# KiCad board ButterStick.kicad_pcb (continued)
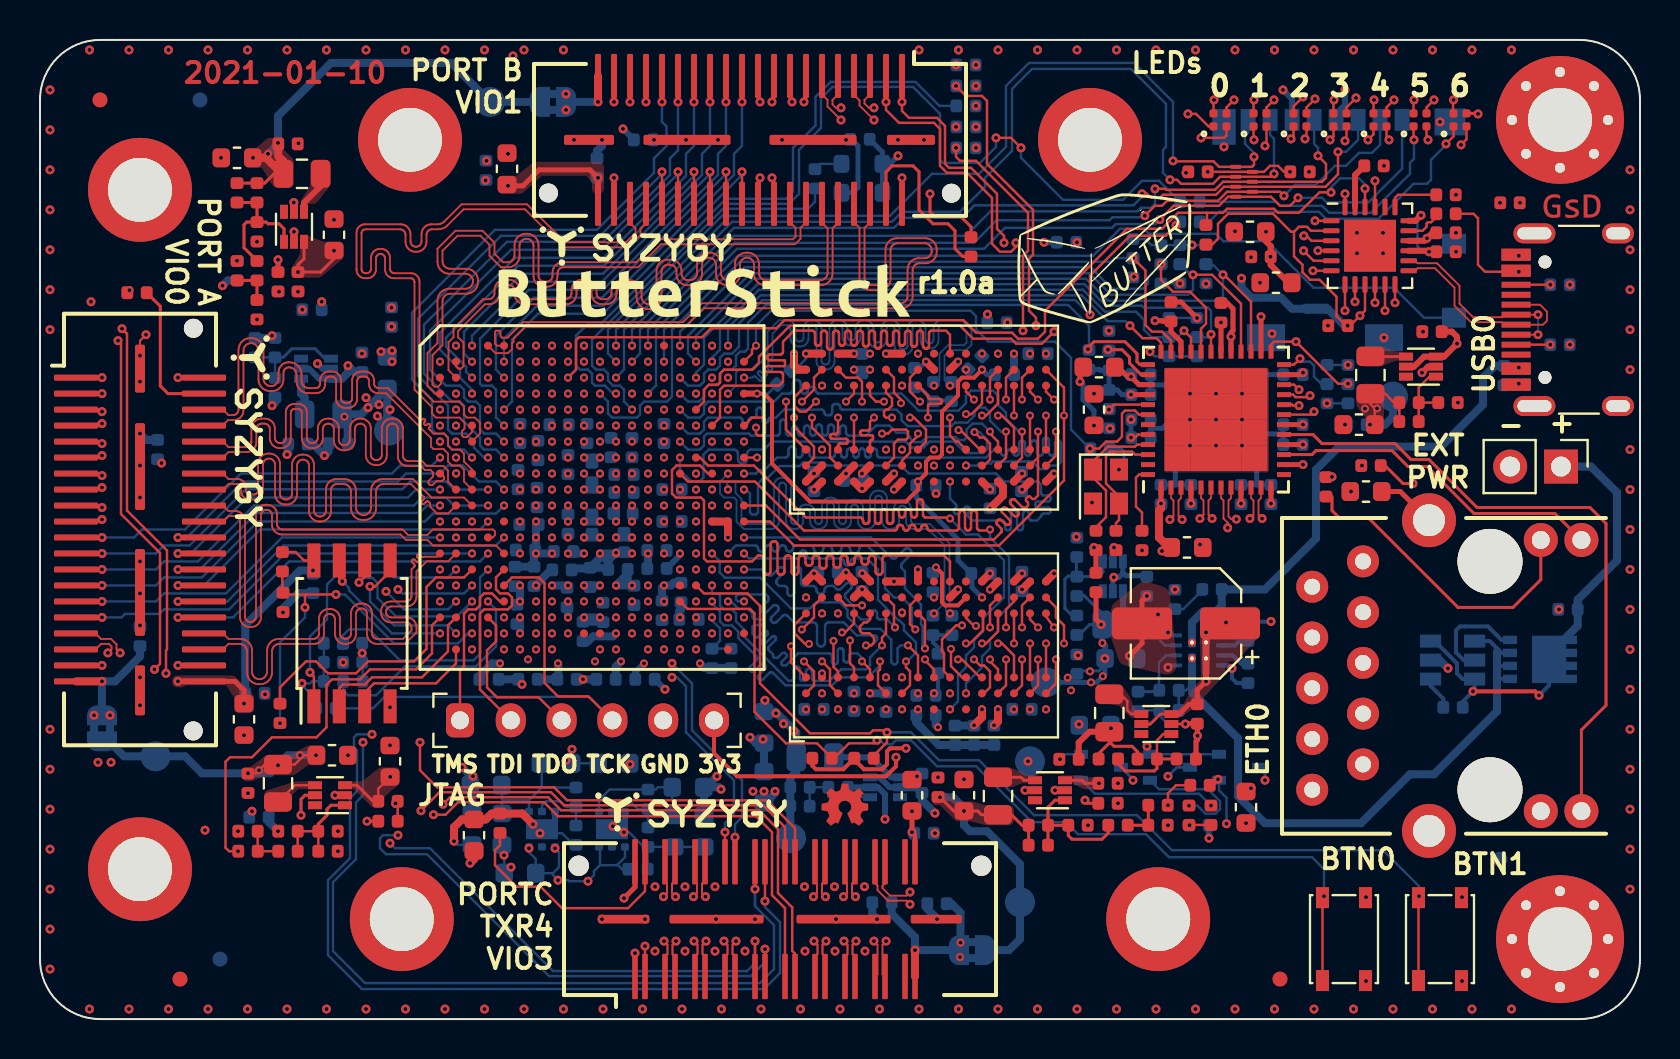
[diagram p0: board, top side]
## Routing (per net, layer and track width the routed paths; a pad name or vN(x,y) marks a point on that pad's centre or on a via; arc(x,y) is an arc through that point) (continued)
  In5.Cu w0.089: v2(39.1,31.7) 39.38,31.42 39.38,30.55 39.07,30.25 39.07,29.78 37.95,28.65 37.95,26.2 37.96,26.13 37.98,26.06 38.02,26 38.07,25.95 38.14,25.91 38.21,25.88 38.28,25.87 38.47,25.87 38.5,25.87 38.52,25.87 38.54,25.85 38.55,25.84 38.56,25.82 38.57,25.8 38.57,25.77 38.57,25.75 38.56,25.73 38.55,25.71 38.54,25.7 38.52,25.68 38.5,25.68 38.47,25.67 38.28,25.67 38.21,25.67 38.14,25.64 38.07,25.6 38.02,25.55 37.98,25.49 37.96,25.42 37.95,25.35 37.95,25.3 37.96,25.23 37.98,25.16 38.02,25.1 38.07,25.05 38.14,25.01 38.21,24.98 38.28,24.97 38.62,24.97 38.65,24.97 38.67,24.97 38.69,24.95 38.7,24.94 38.71,24.92 38.72,24.9 38.72,24.87 38.72,24.85 38.71,24.83 38.7,24.81 38.69,24.8 38.67,24.78 38.65,24.78 38.62,24.77 38.28,24.77 38.21,24.77 38.14,24.74 38.07,24.7 38.02,24.65 37.98,24.59 37.96,24.52 37.95,24.45 37.95,24.4 37.96,24.33 37.98,24.26 38.02,24.2 38.07,24.15 38.14,24.11 38.21,24.08 38.28,24.07 38.62,24.07 38.65,24.07 38.67,24.07 38.69,24.05 38.7,24.04 38.71,24.02 38.72,24 38.72,23.97 38.72,23.95 38.71,23.93 38.7,23.91 38.69,23.9 38.67,23.88 38.65,23.88 38.62,23.87 38.28,23.87 38.21,23.87 38.14,23.84 38.07,23.8 38.02,23.75 37.98,23.69 37.96,23.62 37.95,23.55 37.95,23.5 37.96,23.43 37.98,23.36 38.02,23.3 38.07,23.25 38.14,23.21 38.21,23.18 38.28,23.17 38.62,23.17 38.65,23.17 38.67,23.17 38.69,23.15 38.7,23.14 38.71,23.12 38.72,23.1 38.72,23.07 38.72,23.05 38.71,23.03 38.7,23.01 38.69,23 38.67,22.98 38.65,22.98 38.62,22.97 38.28,22.97 38.21,22.97 38.14,22.94 38.07,22.9 38.02,22.85 37.98,22.79 37.96,22.72 37.95,22.65 37.95,22 38.85,21.1 38.86,21.09 38.87,21.07 38.87,21.05 38.87,21.03 38.87,21.01 38.86,20.99 38.85,20.98 38.8,20.93 38.79,20.91 38.78,20.89 38.77,20.87 38.77,20.85 38.78,20.83 38.79,20.82 38.8,20.8 38.81,20.79 38.83,20.78 38.85,20.77 38.87,20.77 38.89,20.78 38.91,20.79 38.92,20.8 38.97,20.85 38.99,20.86 39.01,20.87 39.03,20.88 39.05,20.88 39.07,20.87 39.08,20.86 39.1,20.85 v2(39.1,20.3)
/FPGA-DDR3L/UDQS_P: length 29.5
  In2.Cu w0.089: v2(39.9,20.3) 39.65,20.3 39.25,20.7 38.78,20.7 38.62,20.55 38.08,20.55 37.8,20.83 37.8,22.9 35.68,25.02 33.32,25.02 33.09,25.26 33.04,25.26
  In2.Cu w0.1: 33.04,25.26 32.56,25.26 32.4,25.1 32.4,24.5 v2(32,24.1)
  In5.Cu w0.089: v2(39.9,31.7) 39.62,31.42 39.62,30.45 39.32,30.15 39.32,29.67 38.2,28.55 38.2,26.22 38.2,26.2 38.21,26.18 38.22,26.16 38.24,26.15 38.26,26.13 38.28,26.13 38.3,26.12 38.49,26.12 38.57,26.12 38.64,26.09 38.7,26.05 38.75,26 38.79,25.94 38.82,25.87 38.82,25.8 38.82,25.75 38.82,25.68 38.79,25.61 38.75,25.55 38.7,25.5 38.64,25.46 38.57,25.43 38.49,25.42 38.3,25.42 38.28,25.42 38.26,25.42 38.24,25.4 38.22,25.39 38.21,25.37 38.2,25.35 38.2,25.32 38.2,25.3 38.21,25.28 38.22,25.26 38.24,25.25 38.26,25.23 38.28,25.23 38.3,25.22 38.64,25.22 38.72,25.22 38.79,25.19 38.85,25.15 38.9,25.1 38.94,25.04 38.97,24.97 38.97,24.9 38.97,24.85 38.97,24.78 38.94,24.71 38.9,24.65 38.85,24.6 38.79,24.56 38.72,24.53 38.64,24.52 38.3,24.52 38.28,24.52 38.26,24.52 38.24,24.5 38.22,24.49 38.21,24.47 38.2,24.45 38.2,24.42 38.2,24.4 38.21,24.38 38.22,24.36 38.24,24.35 38.26,24.33 38.28,24.33 38.3,24.32 38.64,24.32 38.72,24.32 38.79,24.29 38.85,24.25 38.9,24.2 38.94,24.14 38.97,24.07 38.97,24 38.97,23.95 38.97,23.88 38.94,23.81 38.9,23.75 38.85,23.7 38.79,23.66 38.72,23.63 38.64,23.62 38.3,23.62 38.28,23.62 38.26,23.62 38.24,23.6 38.22,23.59 38.21,23.57 38.2,23.55 38.2,23.52 38.2,23.5 38.21,23.48 38.22,23.46 38.24,23.45 38.26,23.43 38.28,23.43 38.3,23.42 38.64,23.42 38.72,23.42 38.79,23.39 38.85,23.35 38.9,23.3 38.94,23.24 38.97,23.17 38.97,23.1 38.97,23.05 38.97,22.98 38.94,22.91 38.9,22.85 38.85,22.8 38.79,22.76 38.72,22.73 38.64,22.72 38.3,22.72 38.28,22.72 38.26,22.72 38.24,22.7 38.22,22.69 38.21,22.67 38.2,22.65 38.2,22.62 38.2,22.08 39.35,20.93 39.35,20.65 39.7,20.3 v2(39.9,20.3)
/FPGA-DDR3L/WE: length 36.7
  Top w0.12: U11.L3 45.9,28.9 45.8,28.9 45.5,29.2 v2(45.5,30.1) ; U12.L3 46.11,17.1 45.55,17.66 v2(45.55,18.52)
  In2.Cu w0.12: v2(45.55,18.52) 45.55,18.6 46.45,19.5 46.45,20.75 46.3,20.9 46.3,21.85 45.9,22.25 45.9,28.8 45.5,29.2 v2(45.5,30.1) 45.35,30.25 45.35,30.7 45.4,30.75 45.95,30.75 46,30.8 46,30.95 45.95,31 45.15,31 45.1,30.95 45.1,29.55 45.05,29.5 44.9,29.5 44.85,29.55 44.85,30.95 44.8,31 44.65,31 44.55,30.9 44.55,30.8 44.22,30.47 43.73,30.47 43.65,30.55 43.65,30.6 43.6,30.65 43.45,30.65 43.4,30.6 43.4,30.55 43.32,30.47 41.88,30.47 41.8,30.55 41.8,30.95 41.75,31 41.55,31 41.5,30.95 41.5,30.65 41.2,30.35 41.2,29.9 40.35,29.05 39.05,29.05 38.65,28.65 38.3,28.65 38.27,28.65 38.23,28.66 38.21,28.68 38.18,28.71 38.16,28.73 38.15,28.77 38.15,28.8 38.15,28.85 38.15,28.88 38.14,28.92 38.12,28.94 38.09,28.97 38.07,28.99 38.03,29 38,29 37.97,29 37.93,28.99 37.91,28.97 37.88,28.94 37.86,28.92 37.85,28.88 37.85,28.85 37.85,28.15 37.85,28.12 37.84,28.08 37.82,28.06 37.79,28.03 37.77,28.01 37.73,28 37.7,28 37.67,28 37.63,28.01 37.61,28.03 37.58,28.06 37.56,28.08 37.55,28.12 37.55,28.15 37.55,28.5 37.55,28.53 37.54,28.57 37.52,28.59 37.49,28.62 37.47,28.64 37.43,28.65 37.4,28.65 36.55,28.65 36.52,28.65 36.5,28.66 36.47,28.68 36.45,28.7 36.44,28.72 36.43,28.75 36.42,28.8 36.41,28.83 36.4,28.85 36.38,28.87 36.35,28.89 36.33,28.9 36.3,28.9 36.25,28.9 36.22,28.9 36.2,28.89 36.17,28.87 36.15,28.85 36.14,28.83 36.13,28.8 36.12,28.75 36.11,28.72 36.1,28.7 36.08,28.68 36.05,28.66 36.03,28.65 36,28.65 35.8,28.65 35.6,28.45 35,28.45 34.55,28.9 v2(34.4,28.9)
/FPGA-MISC/CLK_IN: length 15.4
  Bottom w0.12: v2(28.8,32.9) 28.4,33.3 28.4,34.5 34.45,40.55 38.4,40.55 38.75,40.9 R54.2
/FPGA-MISC/ETH0.CLK125: length 2.1
  Top w0.12: U2.41 53.7,30.75 v1(53.45,30.5)
/FPGA-MISC/ETH0.INT: length 2.7
  Top w0.15: U2.38 55.05,32.25 54.47,32.82 54.47,33.12 54.1,33.5 v1(53.4,33.5)
/FPGA-MISC/ETH0.MDC: length 24.7
  Top w0.12: U2.36 56.05,33.85 55.82,34.07 55.12,34.07 v1(54.5,34.7)
  Bottom w0.12: v1(54.5,34.7) 54.28,34.92 53.38,34.92 52.08,36.22 36.02,36.22 34.4,34.6 v2(34.4,33.7)
/FPGA-MISC/ETH0.MDIO: length 29.7
  Top w0.15: U2.37 55,32.75 54.85,32.9 54.85,33.3 54.25,33.9 52.7,33.9 52.4,33.6 v1(52.4,33.52)
  Bottom w0.12: R19.1 52.45,34.7 51.41,35.74 36.29,35.74 35.4,34.85 35.4,33.55 35.25,33.4 35,33.4 34.8,33.2 34.8,32.7 34.6,32.5 34.2,32.5 34,32.3 34,31.9 33.82,31.72 33.43,31.72 33.2,31.5 33.2,31.15 32.95,30.9 32.4,30.9 v2(32,31.3)
/FPGA-MISC/ETH0.RESET: length 28.9
  Top w0.12: v1(52.5,28.55) 52.95,28.55 53.3,28.9 53.85,28.9 54.1,29.15 54.1,30.3 54.25,30.45 54.75,30.45 54.95,30.25 U2.42 ; v2(35.8,33.7) 35.6,33.5 35.6,33.3 U4.B20
  Bottom w0.12: v1(52.5,28.55) 51.55,29.5 51.55,33.1 50.75,33.9 47.43,33.9 46.8,34.52 46.8,35.17 46.53,35.45 36.55,35.45 35.8,34.7 v2(35.8,33.7)
/FPGA-MISC/ETH0.RX0: length 33.2
  Top w0.12: v1(56.05,37.78) 56.05,37 56.65,36.4 57.5,36.4 58.3,35.6 58.3,34.8 58.05,34.55 U2.32
  Bottom w0.12: v1(56.05,37.78) 55.4,37.13 55.4,36.8 55.15,36.55 53.6,36.55 52.53,37.62 35.22,37.62 32,34.4 v2(32,33.7)
/FPGA-MISC/ETH0.RX1: length 32
  Top w0.12: U2.31 v1(58.55,34.26)
  Bottom w0.12: R28.1 58.4,34.11 v1(58.55,34.26) 58.55,35.45 58.4,35.6 55.2,35.6 55.1,35.7 53.3,35.7 52.22,36.77 35.88,36.77 33.2,34.1 33.2,32.75 32.8,32.35 v2(32.8,32.1)
/FPGA-MISC/ETH0.RX2: length 35.5
  Top w0.12: U2.28 60.05,35.8 58.6,37.25 v1(57.65,37.25)
  Bottom w0.12: v2(32.8,32.9) 32.4,33.3 32.4,34.2 35.53,37.32 52.47,37.32 53.54,36.25 57.4,36.25 57.65,36.5 57.65,37.13 R15.1
/FPGA-MISC/ETH0.RX3: length 35.1
  Top w0.12: U2.27 60.55,35.9 59.2,37.25 v1(59.15,37.25)
  Bottom w0.12: v2(32.8,33.7) 32.8,34.2 35.65,37.05 52.3,37.05 53.4,35.95 58.9,35.95 59.15,36.2 v1(59.15,37.25) 58.67,37.73 58.3,37.73
/FPGA-MISC/ETH0.RX_CLK: length 38.8
  Top w0.12: v1(54.65,38.08) 55.27,37.46 55.27,34.73 55.6,34.4 56.1,34.4 56.55,33.95 U2.35
  Bottom w0.12: R22.1 v1(54.65,38.08) 53.72,38.08 53.53,37.9 35,37.9 31.6,34.5 31.6,31.15 31.35,30.9 30.2,30.9 30,30.7 30,30.25 29.85,30.1 28.6,30.1 28.4,30.3 28.4,30.9 v2(28,31.3)
/FPGA-MISC/ETH0.RX_CTRL: length 28.4
  Top w0.12: U2.33 57.55,34.1 v1(57.2,34.45)
  Bottom w0.12: v1(57.2,34.45) 56.89,34.14 R11.1 R23.1 55.58,34.12 55.2,34.5 55.2,35 54.8,35.4 53.25,35.4 52.15,36.5 35.95,36.5 34,34.55 34,33.5 33.6,33.1 v2(33.6,32.9)
/FPGA-MISC/ETH0.TX0: length 44
  Top w0.12: U2.19 63.55,30.25 v1(63.7,30.4)
  In5.Cu w0.12: v2(31.2,32.1) 31.6,32.5 31.6,33.1 31.8,33.3 32.15,33.3 32.4,33.55 32.4,34.4 34.6,36.6 37.2,36.6 38.15,37.55 53.05,37.55 54.3,36.3 62,36.3 64.6,33.7 64.6,31.8 64.8,31.6 64.8,30.6 64.6,30.4 v1(63.7,30.4)
/FPGA-MISC/ETH0.TX1: length 40.5
  Top w0.12: U2.20 62.6,30.75 62.65,30.7 v1(62.95,30.7)
  In5.Cu w0.12: v1(62.95,30.7) 63.3,30.7 63.4,30.8 63.7,30.8 64,31.1 64,33.8 61.85,35.95 54.15,35.95 52.9,37.2 38.3,37.2 37.4,36.3 34.9,36.3 33.2,34.6 33.2,33.5 33,33.3 32.65,33.3 32.25,32.9 v2(32,32.9)
/FPGA-MISC/ETH0.TX2: length 37
  Top w0.12: v1(63.5,31.2) 63.43,31.13 62.77,31.13 62.65,31.25 U2.21
  In5.Cu w0.12: v1(63.5,31.2) 63.5,31.5 63.7,31.7 63.7,33.6 61.7,35.6 53.7,35.6 52.5,36.8 38.4,36.8 37.6,36 35.1,36 33.6,34.5 v2(33.6,33.7)
/FPGA-MISC/ETH0.TX3: length 33.1
  Top w0.12: U2.22 62.7,31.75 v1(62.95,31.5)
  In5.Cu w0.12: v2(34.4,32.9) 34.6,33.1 34.7,33.1 36.57,34.97 39.03,34.97 39.72,35.67 48.22,35.67 48.7,35.2 51.05,35.2 51.9,34.35 51.9,32.9 53.05,31.75 62.05,31.75 62.3,31.5 v1(62.95,31.5)
/FPGA-MISC/ETH0.TX_CLK: length 39.9
  Top w0.12: U2.24 62.7,32.75 v1(63,33.05)
  In5.Cu w0.12: v1(63,33.05) 62.25,33.05 61.7,32.5 55.1,32.5 53.7,33.9 53,33.9 50.82,36.07 39.38,36.07 38.7,35.4 36.2,35.4 34.93,34.12 34.93,33.72 34.5,33.3 34.2,33.3 34,33.1 34,32.7 33.8,32.5 33.4,32.5 33.2,32.3 33.2,31.9 33,31.7 32.6,31.7 32.4,31.5 32.4,31.1 32.2,30.9 31.6,30.9 v2(31.2,30.5)
  Bottom w0.12: v1(63,33.05) 63.15,32.9 63.5,32.9 63.7,32.7 63.7,32.15 64.06,31.78 R12.1
/FPGA-MISC/ETH0.TX_CTRL: length 40.9
  Top w0.12: U2.25 61.55,33.75 61.7,33.9 v1(62.8,33.9) 64.9,31.8 v1(65.4,31.8)
  In5.Cu w0.12: v2(31.2,31.3) 31.6,31.7 32.2,31.7 32.4,31.9 32.4,32.3 32.6,32.5 33,32.5 33.2,32.7 33.2,33.1 33.4,33.3 33.8,33.3 34,33.5 34,34 35.7,35.7 38,35.7 38.75,36.45 52.15,36.45 54.55,34.05 55.65,34.05 56.1,33.6 62.5,33.6 v1(62.8,33.9)
/FPGA-MISC/I2C0.SCL: length 152.7
  Top w0.12: J3.1 v1(3.1,32.1) ; v1(29.75,3.3) J5.1 ; v1(48.2,38.85) 48.2,39.2 47.85,39.55 47.85,41.3 46.55,42.6 45.45,42.6 45.25,42.8 45.25,44.7 44.85,45.1 43.45,45.1 43.1,45.45 v1(43.1,45.9) J4.1
  In5.Cu w0.12: v2(30.4,30.5) 30.8,30.9 30.8,31.5 30.6,31.7 30.2,31.7 30,31.9 30,34 30.5,34.5 30.5,35.75 32,37.25 36.75,37.25 37.9,38.4 48,38.4 48.2,38.6 v1(48.2,38.85) ; v1(43.1,45.9) 43.1,47 42.5,47.6 21.9,47.6 21.4,48.1 4.9,48.1 1.1,44.3 1.1,38.1 3.1,36.1 v1(3.1,32.1) 2.3,32.1 1.7,31.5 1.7,12.35 2.8,11.25 7.15,11.25 8.8,9.6 8.8,8.15 9.75,7.2 10.45,7.2 16.05,1.6 26.3,1.6 28,3.3 v1(29.75,3.3)
/FPGA-MISC/I2C0.SDA: length 151.6
  Top w0.12: v1(30.25,3.65) J5.3 ; J4.3 v1(42.3,45.9) 42.3,45.5 42.95,44.85 44.7,44.85 45,44.55 45,42.7 45.35,42.35 46.35,42.35 47.6,41.1 47.6,38.8 48,38.4 48.55,38.4 48.8,38.65 v1(48.8,38.85) ; J3.3 v1(3.1,31.3)
  In5.Cu w0.12: v1(48.8,38.85) 48.1,38.15 38.15,38.15 37,37 32.1,37 30.8,35.7 30.8,32.5 v2(30.4,32.1) ; v1(30.25,3.65) 30,3.65 29.95,3.7 28,3.7 26.2,1.9 16.15,1.9 10.55,7.5 9.9,7.5 9.1,8.3 9.1,9.7 7.3,11.5 3.05,11.5 2,12.55 2,31 2.3,31.3 v1(3.1,31.3) 3.6,31.8 3.6,32.3 3.4,32.5 3.4,36.2 1.4,38.2 1.4,44.2 5,47.8 21.3,47.8 21.8,47.3 42.1,47.3 42.3,47.1 v1(42.3,45.9)
/FPGA-MISC/LED0: length 37.2
  Top w0.12: v1(49.8,34.7) 49.8,35.1 49.45,35.45 49.45,38.05 49.65,38.25 49.65,40.5 47.35,42.8 47.35,45.95 47.1,46.2 46.3,46.2 v1(45.8,46.7)
  In2.Cu w0.12: v2(29.6,32.1) 30,32.5 32.2,32.5 32.4,32.7 32.4,33.05 32.65,33.3 33,33.3 33.2,33.5 33.2,34.15 34.32,35.27 41.75,35.27 42.2,35.72 49.07,35.72 49.8,35 v1(49.8,34.7)
  Bottom w0.12: v1(45.8,46.7) R35.1
/FPGA-MISC/LED1: length 31.2
  Bottom w0.12: v2(28.8,31.3) 28.65,31.3 28.25,31.7 27.75,31.7 27.6,31.85 27.6,32.3 27.4,32.5 27,32.5 26.8,32.7 26.8,34.2 27.35,34.75 28,34.75 34.3,41.05 37.3,41.05 37.65,41.4 37.65,43.6 38.78,44.72 38.78,46.15 39.53,46.9 43.78,46.9 44.97,45.7 R36.1
/FPGA-MISC/LED2: length 96.2
  Top w0.12: v1(5.72,17.5) 6,17.77 6,23.32 4.05,25.27 4.05,33.8 v1(3.9,33.95)
  In5.Cu w0.12: v1(3.9,33.95) 3.65,34.2 3.65,36.4 1.65,38.4 1.65,44.05 5.15,47.55 21.1,47.55 21.65,47 40.25,47 41.05,46.2 41.05,44.8 41.53,44.32 42.03,44.32 42.6,44.9 44.93,44.9 45.3,45.27 45.3,47.25 v1(45.8,47.75) ; v1(5.72,17.5) 6.42,18.2 8.55,18.2 9.8,19.45 13.65,19.45 14.95,20.75 16.95,20.75 17.3,21.1 v1(17.3,21.4)
  Bottom w0.12: v1(17.3,21.4) 18.2,20.5 20.4,20.5 v2(20.8,20.9)
/FPGA-MISC/LED3: length 93.6
  Top w0.12: v1(4.1,34.55) 4.35,34.3 4.35,25.45 6.35,23.45 6.35,18.5 6.3,18.45 v1(6.3,17.3)
  In5.Cu w0.12: v1(17.9,21.5) 17.9,21.15 17.2,20.45 15.1,20.45 13.8,19.15 9.9,19.15 8.05,17.3 v1(6.3,17.3) ; v1(4.1,34.55) 4.1,36.4 1.95,38.55 1.95,43.95 5.3,47.3 20.95,47.3 21.5,46.75 40.1,46.75 40.72,46.12 40.72,44.7 41.35,44.07 42.12,44.07 42.7,44.65 v1(45.8,44.65)
  Bottom w0.12: v2(21.6,21.7) 21.2,21.3 18.1,21.3 v1(17.9,21.5)
/FPGA-MISC/LED4: length 34.1
  Top w0.12: v1(49.15,34.45) 49.15,38.2 49.4,38.45 49.4,40.35 46.8,42.95 46,42.95 45.8,43.15 v1(45.8,43.6)
  In2.Cu w0.12: v1(49.15,34.45) 49.15,34.3 48.72,33.87 48.03,33.87 46.53,35.37 42.38,35.37 41.97,34.97 34.93,34.97 34,34.05 34,33.5 33.75,33.25 33.45,33.25 33.2,33 33.2,32.7 33,32.5 32.6,32.5 32.4,32.3 32.4,31.9 32.2,31.7 30,31.7 v2(29.6,31.3)
/FPGA-MISC/LED5: length 47.7
  Top w0.12: v1(47.8,44.1) 48.55,44.1 v1(49.05,43.6)
  Bottom w0.12: v1(49.05,43.6) 49.05,43.1 51.15,41 54.15,41 55.1,41.95 55.95,41.95 57,40.9 R42.1 ; v1(47.8,44.1) 47.8,43.65 47,42.85 45.15,42.85 45,43 45,45.3 43.65,46.65 39.62,46.65 39.05,46.07 39.05,44.6 37.95,43.5 37.95,41.3 37.45,40.8 34.4,40.8 27.6,34 27.6,32.7 27.8,32.5 28.2,32.5 28.4,32.3 28.4,31.95 28.65,31.7 29,31.7 29.2,31.5 29.2,30.9 v2(29.6,30.5)
/FPGA-MISC/LED6: length 31.2
  Top w0.12: v1(52.5,35.25) 52.5,37.2 54.5,39.2 56.28,39.2 v1(56.8,39.72)
  Bottom w0.12: v1(52.5,35.25) 51.77,35.98 36.12,35.98 34.95,34.81 34.95,33.65 34.6,33.3 34.2,33.3 34,33.1 34,32.7 33.8,32.5 33.4,32.5 33.2,32.3 33.2,31.9 33,31.7 32.4,31.7 v2(32,32.1)
/FPGA-MISC/LEDC0: length 73.7
  Top w0.12: R37.2 58.6,11.7 v1(58.9,12)
  In2.Cu w0.12: v2(20,21.7) 17.05,18.75 17.05,8.65 17.4,8.3 19.45,8.3 21.43,6.32 21.43,1.9 22.07,1.25 58.4,1.25 60.1,2.95 60.1,6 59.32,6.77 v1(59.32,9.77)
  Bottom w0.12: Q1.1 58.95,11.45 59.32,11.07 v1(59.32,9.77)
/FPGA-MISC/LEDC1: length 82.4
  In2.Cu w0.12: v2(20,22.5) 19.55,22.05 19.55,21.67 16.78,18.9 16.78,15.6 15.6,14.42 15.6,13.65 16.8,12.45 16.8,8.45 17.2,8.05 19.33,8.05 21.15,6.22 21.15,1.85 22.03,0.97 58.55,0.97 60.4,2.82 60.4,6.1 59.79,6.71 59.79,9.99 59.09,10.68 v1(58.55,10.68)
  Bottom w0.12: Q2.1 52.07,11.95 52.75,11.27 57.96,11.27 v1(58.55,10.68)
/FPGA-MISC/LEDC2: length 75.9
  Top w0.12: R43.2 v1(57.45,10.67)
  In2.Cu w0.12: v1(57.45,10.67) 57.45,10.5 57,10.05 57,8.75 59.85,5.9 59.85,3.07 58.28,1.5 22.18,1.5 21.68,2 21.68,6.5 19.58,8.6 18.65,8.6 18.33,8.92 18.33,11.17 18.1,11.4 18.1,19 v2(20,20.9)
  Bottom w0.12: Q3.1 55.95,11.5 58.4,11.5 59,10.9 59,10.5 58.78,10.27 58.28,10.27 57.88,10.67 v1(57.45,10.67)
/FPGA-MISC/SDMMC0.CD: length 45
  Bottom w0.12: v2(31.2,32.9) 31.2,33.7 31.2,34.5 34.9,38.2 52.65,38.2 54,39.55 55.2,39.55 55.45,39.3 58.8,39.3 59.18,38.92 61.35,38.92 63.68,36.6 67.7,36.6 69.2,35.1 J2.11
/FPGA-MISC/SDMMC0.CK: length 42.8
  Top w0.12: v1(63.9,43.2) 64.3,42.8 64.3,42.1 64.1,41.9 59.15,41.9 58.75,41.5 56.3,41.5 56.25,41.55 v1(55.75,41.55)
  Bottom w0.12: v1(55.75,41.55) 55.75,40.8 55.55,40.6 55.05,40.6 54.88,40.42 47.53,40.42 46.3,39.2 34.7,39.2 30,34.5 30,33.3 v2(29.6,32.9) ; J2.5 63.71,43.8 63.9,43.61 v1(63.9,43.2)
/FPGA-MISC/SDMMC0.CMD: length 42.9
  Top w0.12: v1(55.1,41.3) 55.35,41.3 55.55,41.1 56,41.1 56.15,41.25 58.8,41.25 59.2,41.65 U3.5 64.27,41.65 64.9,42.28 v1(64.9,43.4)
  Bottom w0.12: v1(64.9,43.4) 65.3,43.4 65.91,44 J2.3 ; v1(55.1,41.3) 55.1,41.15 54.68,40.72 46.72,40.72 46.1,40.1 43.2,40.1 42.7,39.6 34.7,39.6 29.6,34.5 v2(29.6,33.7)
/FPGA-MISC/SDMMC0.DAT0: length 50.2
  Top w0.12: v1(56.5,42) 56.85,42 57.05,41.8 58.65,41.8 59,42.15 U3.3 61.55,42.15 v1(61.7,42.3)
  Bottom w0.12: J2.7 61.5,44.24 61.7,44.05 v1(61.7,42.3) ; v1(56.5,42) 56.15,42.35 56.15,43.5 56.3,43.65 56.3,45.8 54.55,47.55 49.6,47.55 48.6,46.55 48.6,43.45 47.25,42.1 47.25,41.65 46,40.4 43.1,40.4 42.6,39.9 34.6,39.9 29.2,34.5 29.2,32.5 v2(28.8,32.1)
/FPGA-MISC/SDMMC0.DAT1: length 46.4
  Top w0.12: v1(60.7,43.15) 60.7,42.75 60.6,42.65 U3.1 58.95,42.65 58.68,42.92 56.82,42.92 56.8,42.95 v1(56.65,42.95)
  Bottom w0.12: v1(60.7,43.15) 60.7,43.35 60.25,43.8 60.25,44.2 60.41,44.35 J2.8 ; v1(56.65,42.95) 56.65,45.9 54.7,47.85 49.45,47.85 48.3,46.7 48.3,43.65 46.95,42.3 44.6,42.3 42.5,40.2 34.5,40.2 28.8,34.5 v2(28.8,33.7)
/FPGA-MISC/SDMMC0.DAT2: length 47
  Top w0.12: v1(62.9,41.1) 62.5,40.7 62,40.7 61.55,41.15 U3.7 59.4,41.15 58.95,40.7 56.68,40.7 v1(55.99,40.01)
  Bottom w0.12: v2(30.4,31.3) 30.8,31.7 30.8,34.5 34.85,38.55 47.2,38.55 48.25,39.6 53.6,39.6 53.78,39.78 55.76,39.78 v1(55.99,40.01) ; J2.1 68.1,42.55 66.43,40.88 64.33,40.88 64.1,41.1 v1(62.9,41.1)
/FPGA-MISC/SDMMC0.DAT3: length 42.6
  Top w0.12: v1(62.2,41.2) 62,41.4 59.35,41.4 58.9,40.95 56.35,40.95 56.1,40.7 55.74,40.7 v1(55.24,40.2)
  Bottom w0.12: v1(55.24,40.2) 55.16,40.12 53.62,40.12 53.47,39.97 47.82,39.97 46.7,38.85 34.75,38.85 30.4,34.5 v2(30.4,33.7) ; v1(62.2,41.2) 62.75,41.75 63.8,41.75 64.75,42.7 65.3,42.7 65.95,43.35 66.6,43.35 67,43.75 J2.2
/FPGA-MISC/ULIP_VDDIO: length 18
  Top w0.12: 62.7,39.4 62.55,39.4 61.65,40.3 59.4,40.3 58.9,39.8 58.9,39.05 58.62,38.76 R53.1 ; 62.7,39.4 62.7,38.17 63.12,37.75 63.12,37.37 63.5,37 63.97,37 64.82,36.15 64.82,35.17 65.3,34.7 v1(65.38,34.7) 65.5,34.7 v1(66,35.2) 66.25,35.45 U1.9 ; 62.7,39.4 62.95,39.65 63.35,39.65 63.55,39.45 64.6,39.45
  Bottom w0.4: v1(65.38,34.7) 65.22,34.7 64.38,35.55 NT1.2
/FPGA-MISC/USB0.DATA0: length 44.2
  Top w0.12: U1.4 63.91,38.45 v1(63.9,38.46)
  In5.Cu w0.12: v2(26.4,32.9) 26,33.3 26,34.35 26.35,34.7 27.65,34.7 30.45,37.5 36.53,37.5 38.32,39.3 49.1,39.3 49.35,39.05 49.35,38.47 49.79,38.04 53.84,38.04 54.45,38.65 56.4,38.65 57.05,38 59.95,38 60.4,37.55 62.99,37.55 v1(63.9,38.46)
/FPGA-MISC/USB0.DATA1: length 46.3
  Top w0.12: v1(63.18,38.45) 63.68,37.95 U1.5
  In2.Cu w0.12: v2(24,32.1) 24.4,32.5 24.4,34.9 25.6,36.1 31.1,36.1 32.45,37.45 39.9,37.45 42.3,39.85 46,39.85 46.45,40.3 54.35,40.3 55.45,39.2 58.9,39.2 59.35,38.75 62.35,38.75 62.65,38.45 v1(63.18,38.45)
/FPGA-MISC/USB0.DATA2: length 43.9
  Top w0.12: U1.6 v1(63.65,37.45)
  In2.Cu w0.12: v1(63.65,37.45) 60,37.45 59.2,38.25 55.72,38.25 54.22,39.75 46.6,39.75 46.2,39.35 42.5,39.35 40.3,37.15 32.55,37.15 31.2,35.8 25.8,35.8 24.8,34.8 v2(24.8,33.7)
/FPGA-MISC/USB0.DATA3: length 47.7
  Top w0.12: U1.7 v1(65.25,35.45)
  In2.Cu w0.12: v1(65.25,35.45) 64.5,35.45 64.35,35.6 57.65,35.6 57.45,35.4 54.15,35.4 52.5,37.05 41.75,37.05 40.95,36.25 32.95,36.25 31.6,34.9 26.5,34.9 26,34.4 26,32.75 25.75,32.5 25.45,32.5 25.2,32.25 25.2,31.15 25.45,30.9 26,30.9 v2(26.4,30.5)
/FPGA-MISC/USB0.DATA4: length 43.9
  Top w0.12: U1.8 v1(65.75,35.9)
  In2.Cu w0.12: v2(25.6,33.7) 25.6,34.6 26.2,35.2 31.4,35.2 32.75,36.55 40.6,36.55 41.65,37.6 52.9,37.6 54.6,35.9 v1(65.75,35.9)
/FPGA-MISC/USB0.DATA5: length 48.6
  Top w0.12: U1.10 v1(66.75,35.85)
  In2.Cu w0.12: v1(66.75,35.85) 66.75,35 65.5,33.75 63.85,33.75 62.9,34.7 60.9,34.7 59.95,33.75 56.65,33.75 56.1,34.3 54.3,34.3 52,36.6 41.95,36.6 41.28,35.92 33.72,35.92 32.1,34.3 27.1,34.3 26.8,34 26.8,32.75 26.55,32.5 26.25,32.5 26,32.25 26,31.7 v2(26.4,31.3)
/FPGA-MISC/USB0.DATA6: length 46
  Top w0.12: U1.11 v1(67.25,35.45)
  In2.Cu w0.12: v1(67.25,35.45) 67.25,34.95 65.75,33.45 56.45,33.45 55.9,34 52.75,34 50.6,36.15 42.1,36.15 41.57,35.62 33.82,35.62 32.4,34.2 32.4,33.5 32.2,33.3 27.8,33.3 27.6,33.1 27.6,32.5 v2(27.2,32.1)
/FPGA-MISC/USB0.DATA7: length 48.8
  Top w0.12: U1.12 v1(67.75,35.85)
  In2.Cu w0.12: v2(24.8,32.1) 24.8,32.38 25.2,32.78 25.2,34.7 26,35.5 31.3,35.5 32.65,36.85 40.4,36.85 41.65,38.1 52.95,38.1 54.8,36.25 64.3,36.25 64.55,36.5 67.1,36.5 v1(67.75,35.85)
/FPGA-MISC/USB0.DIR: length 44.5
  Top w0.12: U1.1 v1(63.75,39.95)
  In2.Cu w0.12: v2(24,33.7) 24,34.9 25.5,36.4 31,36.4 32.45,37.85 39.55,37.85 41.95,40.25 45.85,40.25 46.3,40.7 57.2,40.7 57.95,39.95 v1(63.75,39.95)
/FPGA-MISC/USB0.NXT: length 44.9
  Top w0.12: v1(63.19,39.2) 63.19,39.2 63.32,39.2 63.57,38.95 U1.3
  In5.Cu w0.12: v1(63.19,39.2) 62.69,38.7 58.4,38.7 58,38.3 57.15,38.3 56.55,38.9 54.15,38.9 53.61,38.36 49.99,38.36 49.76,38.59 49.76,39.11 49.28,39.6 38.2,39.6 36.35,37.75 30.25,37.75 27.5,35 25.8,35 25.2,34.4 25.2,33.54 25.6,33.14 v2(25.6,32.9)
/FPGA-MISC/USB0.REFCLK: length 50
  Top w0.12: 66.75,40.65 v1(66.75,41.95)
  In5.Cu w0.12: v2(24,32.9) 23.6,33.3 23.6,34.05 25.35,35.8 27,35.8 29.7,38.5 35.75,38.5 37.65,40.4 50,40.4 50.7,39.7 54.6,39.7 54.85,39.45 56.05,39.45 56.4,39.8 56.4,40 56.7,40.3 62.75,40.3 64.5,42.05 66.65,42.05 v1(66.75,41.95)
/FPGA-MISC/USB0.RESET: length 48.4
  Top w0.12: R53.2 58.35,39.78 58.35,40.35 ; 58.35,40.35 56.9,40.35 56.1,39.55 54.35,39.55 50.25,35.45 50.25,34.4 49.9,34.05 48.9,34.05 48.6,34.35 46.8,34.35 46.18,34.97 37.22,34.97 36.82,34.57 33.55,34.57 33.1,34.12 26.95,34.12 26.8,33.97 26.8,32.5 v2(26.4,32.1) ; 58.35,40.35 59.15,40.35 59.35,40.55 61.7,40.55 61.9,40.35 62.95,40.35 63.97,41.37 v1(64.55,41.37) ; 66.25,40.65 v1(66.25,41.56)
  Bottom w0.12: v1(66.25,41.56) 66.25,41.77 65.95,42.07 65,42.07 64.55,41.62 v1(64.55,41.37)
/FPGA-MISC/USB0.STP: length 47.9
  Top w0.12: 65.25,40.65 v1(65.25,41.3)
  In5.Cu w0.12: v2(25.6,32.1) 25.2,32.5 25.2,33.07 24.97,33.3 24.62,33.3 24.4,33.52 24.4,34 25.7,35.3 27.35,35.3 30.05,38 36.1,38 38,39.9 49.7,39.9 50.28,39.32 52.72,39.32 52.91,39.14 58.06,39.14 58.22,38.97 61.97,38.97 63.6,40.6 64.55,40.6 v1(65.25,41.3)
/GIGABIT-0/ETH_A_N: length 23.3
  Top w0.089: U2.3 57.05,26.07 56.93,25.95 56.93,25.18 v1(57.11,25)
  In2.Cu w0.089: v1(57.11,25) 56.93,24.82 56.93,22.45 56.12,21.65 56.12,21.2 57.07,20.25 57.07,16.05 58.85,14.27 58.92,14.19 58.97,14.09 58.99,13.99 58.99,13.88 58.97,13.78 58.92,13.68 58.85,13.6 58.74,13.49 58.71,13.44 58.68,13.39 58.67,13.34 58.67,13.28 58.68,13.22 58.71,13.17 58.74,13.13 58.77,13.1 58.82,13.06 58.87,13.04 58.92,13.03 58.98,13.03 59.04,13.04 59.09,13.06 59.13,13.1 59.24,13.21 59.33,13.28 59.42,13.32 59.53,13.35 59.63,13.35 59.74,13.32 59.83,13.28 59.92,13.21 60.25,12.87 64.25,12.87 64.76,13.39 64.76,13.54 64.28,14.01 CON1.9
/GIGABIT-0/ETH_A_P: length 24.1
  Top w0.089: v1(56.49,25) 56.68,25.18 56.68,25.95 56.55,26.07 U2.2
  In2.Cu w0.089: CON1.10 65.44,13.45 65.18,13.45 64.35,12.62 60.15,12.62 59.76,13.01 59.72,13.05 59.66,13.07 59.61,13.09 59.55,13.09 59.5,13.07 59.44,13.05 59.4,13.01 59.29,12.9 59.21,12.84 59.11,12.79 59.01,12.77 58.9,12.77 58.79,12.79 58.7,12.84 58.61,12.9 58.55,12.97 58.48,13.05 58.43,13.15 58.41,13.25 58.41,13.36 58.43,13.47 58.48,13.56 58.55,13.64 58.66,13.75 58.69,13.8 58.72,13.85 58.73,13.91 58.73,13.96 58.72,14.02 58.69,14.07 58.66,14.12 56.82,15.95 56.82,20.15 55.88,21.1 55.88,21.75 56.68,22.55 56.68,24.82 v1(56.49,25)
/GIGABIT-0/ETH_B_N: length 23.5
  Top w0.089: v1(58.61,25.05) 58.43,25.23 58.43,25.95 58.55,26.07 U2.6
  In2.Cu w0.089: v1(58.61,25.05) 58.43,24.87 58.43,24.45 58.78,24.1 58.78,23.2 58.22,22.65 58.22,20.3 59.07,19.45 59.07,17.2 59.26,17.02 59.32,16.94 59.36,16.85 59.39,16.75 59.39,16.65 59.36,16.55 59.32,16.46 59.26,16.39 58.71,15.84 58.68,15.8 58.66,15.75 58.64,15.7 58.64,15.65 58.66,15.6 58.68,15.56 58.71,15.52 58.75,15.49 58.79,15.47 58.84,15.46 58.89,15.46 58.94,15.47 58.99,15.49 59.03,15.52 60.6,17.09 60.68,17.15 60.77,17.2 60.87,17.22 60.97,17.22 61.06,17.2 61.15,17.15 61.23,17.09 61.27,17.05 61.33,16.97 61.38,16.88 61.4,16.79 61.4,16.69 61.38,16.59 61.33,16.5 61.27,16.42 60.72,15.87 60.69,15.83 60.67,15.79 60.66,15.74 60.66,15.69 60.67,15.64 60.69,15.59 60.72,15.55 60.9,15.37 64.2,15.37 64.76,15.94 64.76,16.24 64.44,16.55 CON1.7
